# KiCad board Pixy-68000.kicad_pcb (continued)
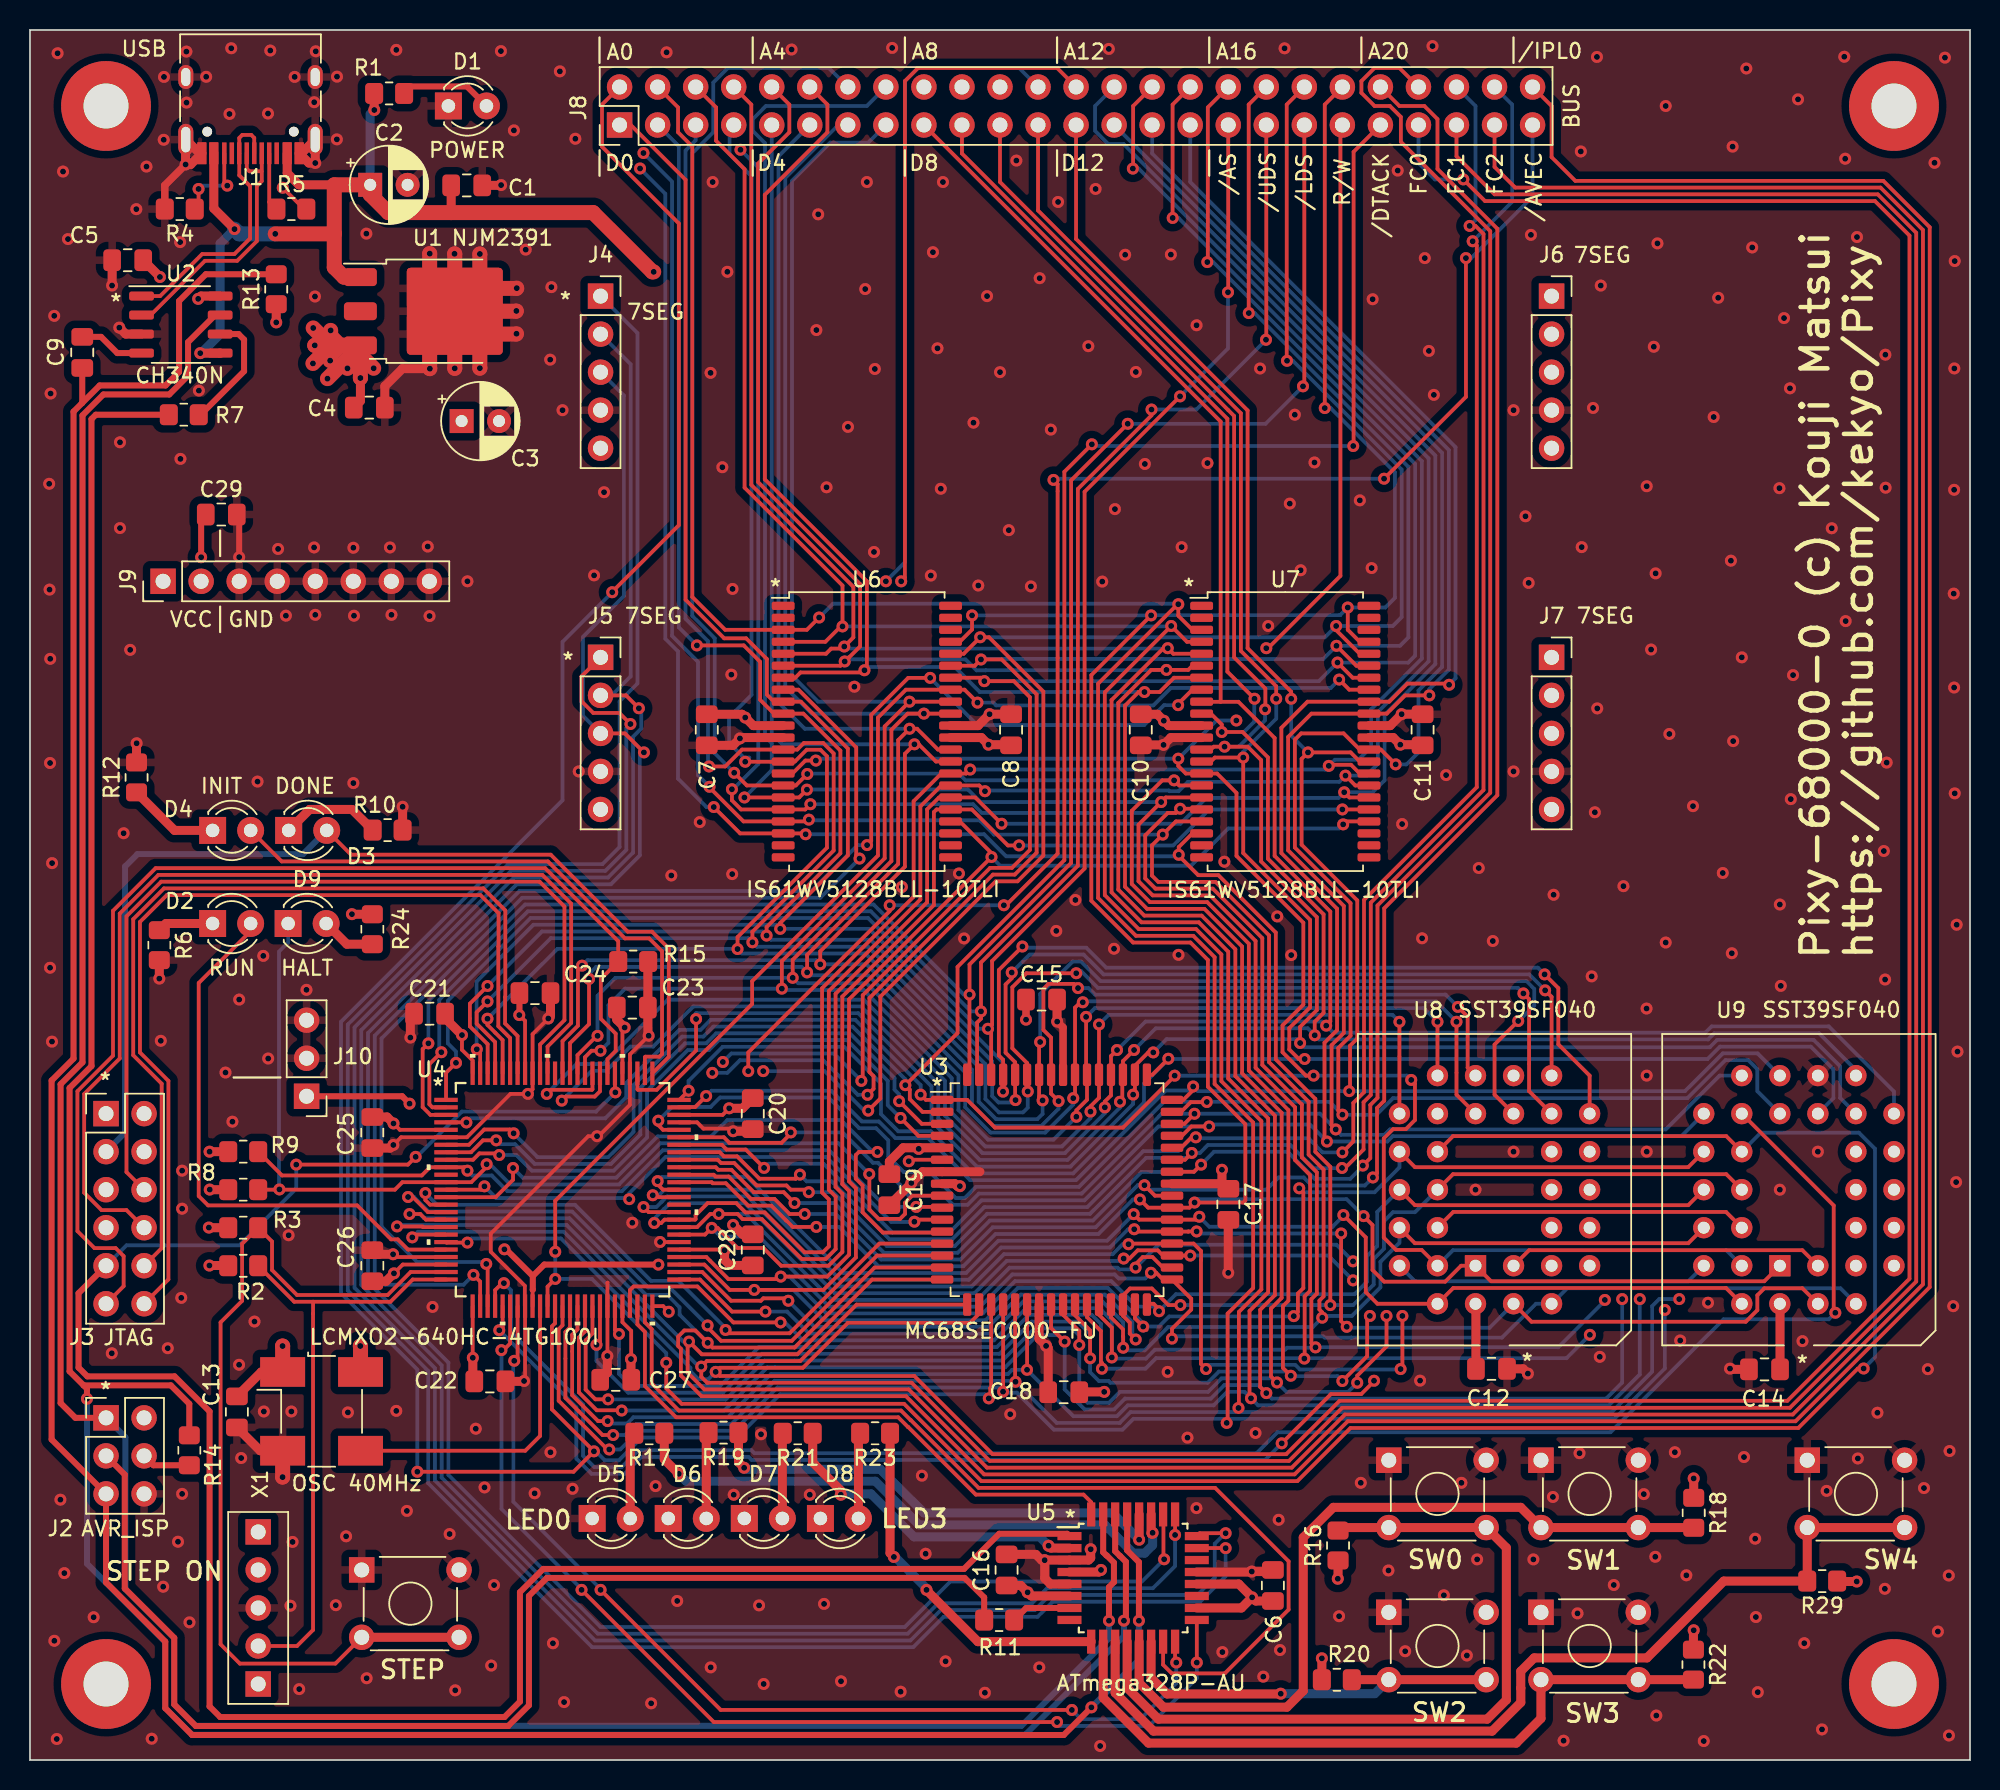
[diagram p0: board, top side]
## Routing (per net, layer and track width the routed paths; a pad name or vN(x,y) marks a point on that pad's centre or on a via; arc(x,y) is an arc through that point)
GND: length 274.2
  Top w0.25: v1(16.88,105.03) 18.31,103.6 R5.2 ; v1(24.27,41.09) 24.78,41.6 U4.6 29.18,41.6 30.54,42.96 30.55,42.96 32.08,44.5 v1(33.25,44.5) 33.56,44.81 U4.92 33.56,48.49 v1(34.61,49.54) ; 38.57,31.89 38.56,31.88 U4.44 38.56,27 v1(38.55,26.99) ; v1(32.99,25.32) 33.06,25.39 U4.33 33.04,30.34 33.04,31.68 30.77,33.95 30.77,35.17 37.27,41.67 v1(37.86,41.67) 37.97,41.67 40.06,43.77 U4.79 40.06,47.13 v1(41.31,48.38) ; U4.72 44.54,42.6 44.97,42.18 46.78,42.18 v1(46.96,42) ; U4.56 42.08,34.6 v1(42.07,34.61) ; U4.22 24.43,33.6 v1(24.24,33.79)
  Top w0.4: 34.76,49.68 v1(34.61,49.54) ; C29.2 13.97,83.04 v1(13.97,80.35) ; 13.98,78.75 J9.3
  Top w0.5: R4.2 9,105.19 v1(10.39,106.58) ; v1(68.59,49.33) 68.98,48.94 U3.56
  Top w0.6: U7.12 76.18,68.3 v1(75.69,67.81) 74.2,67.81 C10.2 ; v1(32.99,25.32) 32.97,25.3 C22.2 ; U6.12 47.42,68.3 ; C11.2 92.98,69.86 v1(91.59,69.86) 90.82,69.1 U7.34 ; C7.2 46.94,67.78 v1(47.41,68.24) ; R15.2 41.26,53.32 C23.2 41.26,48.44 v1(41.31,48.38) ; C5.2 5.49,98.5 v1(5.48,98.5) ; C6.2 82.88,12.59 v1(81.58,12.59) 81.55,12.56 U5.21 ; v1(5.97,95.68) 6.4,95.25 U2.3 ; C8.2 65.5,69.86 v1(64.07,69.86) 63.31,69.1 U6.34 ; C17.2 80.01,36.08 v1(80.01,32.54) ; v1(38.55,26.99) 38.55,25.88 C27.2 ; X1.2 15.37,20.66 C13.2 ; C28.2 47.58,35.12 v1(46.95,35.75) ; C19.2 58.85,38.53 v1(58.85,38.55) 59.6,39.3 U3.7 63.43,39.3 ; v1(67.75,13.35) 67.76,13.36 U5.3 70.69,13.36 70.83,13.5 v1(70.83,14.08) ; v1(67.75,13.35) 67.75,12.14 68.13,11.76 U5.5 ; v1(67.75,13.35) 67.55,13.35 67.16,13.74 65.21,13.74 C16.2 ; v1(31.46,105.21) 31.44,105.19 C1.2 ; v1(25.4,48.26) 25.4,49.61 C21.2 ; v1(46.96,42) 48.12,42 C20.2 ; C18.2 67.99,27.52 v1(67.85,27.67) 67.38,28.13 U3.23 ; v1(26.7,92.94) 24.87,92.94 23.7,91.77 C4.2 ; v1(7.12,67.92) 7.12,67.91 R12.2 ; C12.2 99.7,26.13 v1(100.02,25.82) ; v1(24.27,41.09) 24.06,40.88 C25.2 ; C15.2 68.58,49.34 v1(68.59,49.33) ; v1(24.88,63.68) R10.2 ; C14.2 113.56,26.1 v1(113.51,26.15) ; C26.2 23.13,33.79 v1(24.24,33.79) ; R6.2 v1(8.64,52.2) ; C24.2 34.76,49.68 ; J1.A12 11.32,107.33 J1.S1 10.39,108.23 v1(10.39,106.58) 10.73,106.58 J1.A12 ; J1.A1 18.63,106.68 v1(19.05,106.68) 19.05,108.24 J1.S1 18.13,107.33 J1.A1
  Top w1: v1(28.36,92.96) 28.36,92.97 U1.4 ; U1.4 28.36,100.6 v1(28.35,100.62) ; U1.4 32.46,96.78 v1(32.48,96.8) ; v1(32.51,98.32) 32.49,98.3 U1.4 30.04,100.6 v1(30.04,100.61) ; v1(32.49,95.28) 32.47,95.25 U1.4 30.04,92.98 v1(30.04,92.98) ; v1(26.7,92.94) 26.69,92.96 U1.4 ; U1.4 26.69,100.62 v1(26.69,100.63) ; X1.2 16.87,18.91 v1(16.87,18.9)
  In2.Cu w0.4: v1(119.38,40.64) 120.65,41.91 120.65,44.45 U9.16 ; D6.1 42.62,17.46 v1(41.77,18.3) ; U8.16 100.17,44.61 100.17,41.75 v1(99.06,40.64) ; D5.1 37.54,16.81 v1(36.23,18.12) ; D8.1 52.78,17.02 v1(52.07,17.72) ; v1(10.16,39.37) 6.35,39.37 J3.5 6.35,36.83 v1(10.16,36.83)
  In2.Cu w0.6: v1(18.46,51.45) 18.47,51.44 J10.3 J10.2 15.93,46.88 v1(15.91,46.86) ; v1(1.47,47.99) 2.54,46.92 2.54,38.1 J3.5
  In2.Cu w1: J6.4 v1(99.06,90.17) ; v1(13.97,80.35) J9.3 J9.4 J9.5 J9.6 J9.7 J9.8 v1(29.21,78.74) ; v1(10.16,17.78) J2.6 ; J7.4 v1(99.06,66.04) ; J5.4 v1(36.64,66.04) ; J4.4 v1(35.56,90.17)
  vias: v1(1.28,85.25) v1(1.31,78.19) v1(1.34,66.6) v1(1.34,52.92) v1(1.38,91.28) v1(1.35,73.56) v1(1.48,59.91) v1(1.62,96.47) v1(1.63,7.97) v1(1.84,114.01) v1(1.79,1.41) v1(2.03,17.39) v1(2.21,106.11) v1(2.29,12.49) v1(2.54,101.6) v1(4.25,9.54) v1(5.46,27.17) v1(6.01,88.03) v1(6.01,82.29) v1(6.25,61.91) v1(6.69,74.16) v1(7.1,103.6) v1(7.78,106.44) v1(8.13,1.43) v1(8.74,48.05) v1(8.95,112.43) v1(8.93,108.23) v1(8.9,11.58) v1(9.2,27.51) v1(9.88,14.58) v1(10.03,101.4) v1(10.05,86.92) v1(10.1,30.87) v1(10.45,114.12) v1(10.45,110.72) v1(10.65,9.2) v1(11.28,91.48) v1(11.77,112.44) v1(13.06,45.93) v1(13.32,109.96) v1(13.44,114.35) v1(13.52,42.64) v1(13.97,50.8) v1(13.96,26.4) v1(14.1,20.18) v1(14.99,29.29) v1(15.2,65.36) v1(15.58,53.72) v1(15.62,23.28) v1(15.89,109.99) v1(16.05,114.19) v1(16.57,80.9) v1(17.09,76.44) v1(17.27,35.06) v1(17.39,10.31) v1(17.45,23.28) v1(17.54,14.57) v1(17.67,112.43) v1(17.98,4.74) v1(18.98,110.74) v1(19.03,97.76) v1(18.97,81) v1(19.08,114.14) v1(19.05,76.5) v1(20.42,10.34) v1(20.5,112.45) v1(20.49,108.26) v1(21.11,14.95) v1(21.23,23.22) v1(21.59,80.98) v1(21.64,76.44) v1(21.59,65.26) v1(22.46,101.96) v1(22.48,5.47) v1(24.04,81) v1(24.14,76.5) v1(24.46,114.24) v1(24.46,23.32) v1(25.17,16.64) v1(26.56,81.06) v1(26.68,76.42) v1(26.88,30.27) v1(28.02,15.1) v1(28.4,4.66) v1(29.77,22.13) v1(30.35,18.21) v1(30.8,6.31) v1(30.99,11.69) v1(31.45,114.16) v1(32.31,108.86) v1(33.1,100.89) v1(33.7,17.82) v1(34.74,93.55) v1(34.82,98.39) v1(34.75,20.56) v1(34.92,7.8) v1(35.38,112.8) v1(35.66,3.87) v1(36.42,108.3) v1(37.67,79.13) v1(38.33,84.69) v1(40.22,35.89) v1(41.48,3.79) v1(42.51,114.08) v1(42.83,59.09) v1(43.22,10.63) v1(44.72,62.66) v1(45.44,92.66) v1(45.45,6.19) v1(45.58,105.41) v1(46.23,86.36) v1(46.56,99.41) v1(46.83,72.51) v1(46.91,78.23) v1(46.89,59.18) v1(46.99,17.72) v1(48.68,10.33) v1(48.81,21.76) v1(48.99,5.08) v1(50.85,114.26) v1(52.51,95.52) v1(52.63,103.25) v1(53.02,10.43) v1(53.19,85.02) v1(54.15,5.26) v1(54.62,89.06) v1(55.05,71.7) v1(55.77,98.26) v1(55.88,105.41) v1(56.41,92.92) v1(56.36,80.7) v1(57.57,114.37) v1(58.14,4.57) v1(58.22,58.33) v1(59.56,19) v1(59.81,13.78) v1(60.15,79.12) v1(60.29,100.72) v1(60.59,94.3) v1(60.82,84.92) v1(60.96,105.41) v1(61.14,6.6) v1(62.03,59.22) v1(62.37,54.88) v1(63,89.33) v1(63.32,78.46) v1(63.76,4.5) v1(63.91,97.79) v1(64.77,92.71) v1(65.36,82.16) v1(65.45,23.1) v1(65.86,106.84) v1(66.83,78.4) v1(67.42,98.99) v1(67.4,6.19) v1(68.16,88.87) v1(68.53,55.39) v1(68.65,104.08) v1(69.81,57.45) v1(70.67,94.45) v1(71.15,104.95) v1(71.46,0.94) v1(71.6,78.72) v1(72.04,114.3) v1(72.44,83.56) v1(72.38,54.19) v1(73.13,100.55) v1(73.84,92.72) v1(74.44,86.58) v1(75.96,25.93) v1(76.18,100.57) v1(76.69,53.79) v1(76.9,81.02) v1(77.29,21.54) v1(77.89,95.84) v1(77.88,16.83) v1(78.62,86.64) v1(79.62,7.21) v1(79.75,60.01) v1(81.83,21.85) v1(82.13,92.96) v1(82.35,5.57) v1(82.68,75.75) v1(83.28,56.35) v1(83.38,16.05) v1(83.47,7.35) v1(83.77,114.34) v1(84.12,83.93) v1(84.21,53.77) v1(84.46,89.87) v1(84.85,79.48) v1(85.77,86.68) v1(87.41,9.61) v1(88.8,84.15) v1(88.86,18.52) v1(89.58,79.63) v1(89.65,97.58) v1(90.71,12.66) v1(91.33,106.18) v1(91.62,62.52) v1(91.82,7.27) v1(92.82,25.35) v1(92.95,54.89) v1(93.13,100.33) v1(93.41,94.13) v1(93.65,114.49) v1(93.74,91.19) v1(94.41,11.01) v1(94.56,65.79) v1(95.58,18.52) v1(95.94,6.99) v1(96.52,38.1) v1(96.63,13.4) v1(96.74,59.59) v1(97.68,54.71) v1(99.86,83.08) v1(100.07,78.63) v1(100.22,101.88) v1(100.38,13.4) v1(101.73,57.8) v1(101.69,17.58) v1(102.4,1.29) v1(103.33,9.8) v1(103.46,20.5) v1(103.55,107.45) v1(103.61,81.02) v1(104.28,52.35) v1(104.37,90.32) v1(104.49,63.31) v1(104.63,113.77) v1(104.65,70.25) v1(104.82,26.94) v1(104.88,98.5) v1(105.75,11.7) v1(106.4,58.38) v1(107.76,17.76) v1(107.95,85.09) v1(107.94,50.2) v1(107.95,45.72) v1(107.95,40.64) v1(108.24,74.18) v1(108.43,94.41) v1(108.55,79.27) v1(108.53,13.58) v1(108.59,2.97) v1(108.67,101.31) v1(109.22,110.49) v1(109.22,54.61) v1(109.46,68.54) v1(109.83,20.56) v1(110.19,28.03) v1(110.6,12.34) v1(111.04,63.72) v1(111.76,1.27) v1(112.04,30.55) v1(112.42,89.71) v1(112.72,97.68) v1(113.03,59.25) v1(113.57,80.12) v1(113.63,53.89) v1(113.69,107.77) v1(113.72,68.07) v1(114.3,73.66) v1(114.45,20.24) v1(114.6,112.99) v1(115,101.04) v1(115.19,14.79) v1(115.24,9.56) v1(115.37,4.54) v1(116.81,84.96) v1(116.84,57.15) v1(116.84,38.1) v1(116.9,51.71) v1(117.12,96.32) v1(117.52,91.63) v1(117.57,64.19) v1(117.72,72.47) v1(118.05,110.93) v1(118.35,27.98) v1(118.47,7.81) v1(119.65,2.05) v1(119.96,17.98) v1(120.31,82.28) v1(121.14,113.78) v1(121.2,106.97) v1(121.24,76.08) v1(121.99,101.74) v1(122.05,20.15) v1(123.36,23.2) v1(123.78,60.72) v1(123.89,93.88) v1(123.9,84.99) v1(123.87,52.14) v1(123.85,11.44) v1(123.97,66.63) v1(126.46,18.17) v1(126.72,26.11) v1(127.17,106.7) v1(127.39,8.59) v1(127.86,113.72) v1(128.12,12.33) v1(128.13,1.64) v1(128.17,20.64) v1(128.45,77.92) v1(128.42,30.32) v1(128.52,100.13) v1(128.49,92.96) v1(128.48,84.85) v1(128.48,71.64) v1(128.52,64.57) v1(128.65,55.8) v1(128.61,38.61) v1(128.7,47.33)
VCC: length 160.1
  Top w0.25: U4.100 29.56,46.73 28.85,47.44 v1(28.85,48.43) ; U4.93 33.06,49.38 v1(32.67,49.76) ; v1(29.57,26.87) 29.56,26.88 U4.26 ; U4.73 46.25,43.1 v1(46.69,43.54) ; U4.55 46.33,34.1 v1(46.38,34.05) ; U4.46 39.56,29.25 40.14,28.67 40.14,26.8 v1(40.13,26.78) ; U4.80 39.56,48.79 v1(39.71,48.93) ; v1(24.28,42.52) 24.7,42.1 U4.5 ; U4.23 24.89,33.1 v1(24.3,32.51) ; v1(42.65,29.95) 42.28,30.32 U4.50
  Top w0.4: C24.1 32.68,49.78 v1(32.67,49.76) ; v1(11.43,80.35) 11.43,82.89 C29.1
  Top w0.5: v1(66.51,49.46) 66.5,49.46 C15.1
  Top w0.6: v1(28.85,48.43) 27.72,49.56 C21.1 ; v1(29.57,26.87) 29.57,25.39 C22.1 ; C10.1 75.28,69.86 v1(75.71,69.43) 76.03,69.1 U7.11 ; v1(87.32,12.11) 87.34,12.13 R16.1 ; v1(12.01,38.11) 12.01,38.1 R8.1 ; C12.1 96.55,30.45 U8.32 96.52,30.48 ; C23.1 39.18,49.46 v1(39.71,48.93) ; C27.1 40.13,25.42 v1(40.13,26.78) ; v1(71.51,12.7) 71.37,12.56 U5.4 ; v1(24.3,32.51) 23.78,31.98 C26.1 ; C18.1 70.09,24.59 v1(71.73,24.59) 71.71,24.61 ; U3.5 59.42,40.9 v1(59.34,40.83) 59.27,40.9 58.3,40.9 57.38,39.98 C19.1 ; v1(79.59,39.43) 79.59,38.59 C17.1 79.68,38.5 U3.41 ; U6.33 63.52,68.3 v1(64,67.83) 65.47,67.83 C8.1 ; v1(62.09,38.34) 61.92,38.34 61.76,38.5 U3.8 ; C4.1 22.07,90.79 v1(22.07,92.32) ; U5.20 80.71,11.76 v1(81.6,10.87) ; v1(21.5,56.5) 21.5,56.5 R24.1 ; v1(11.95,35.57) 11.96,35.56 R3.1 ; v1(8.68,99.07) 8.68,99.07 C5.1 ; U9.32 116.85,30.47 C14.1 ; v1(11.23,97.61) 11.42,97.79 U2.8 ; v1(111.09,8.67) 111.07,8.65 R22.1 ; C11.1 92.94,67.83 v1(91.5,67.83) 91.03,68.3 U7.33 ; R20.1 v1(86.26,6.8) ; v1(11.98,33.03) 13.23,33.03 R2.1 ; U6.11 48.3,69.1 v1(47.76,69.64) 47.54,69.86 C7.1 ; C16.1 66.16,11.66 v1(66.61,11.2) 66.86,10.96 U5.6 ; R29.1 120.7,11.93 v1(121.98,11.93) ; v1(24.28,42.52) 23.84,42.95 C25.1 ; v1(81.6,10.87) 80.89,10.16 U5.18 ; v1(81.6,10.87) 81.85,10.62 C6.1 ; v1(111.09,18.81) 111.09,18.81 R18.1 ; C28.1 46.75,33.04 46.38,33.41 v1(46.38,34.05) ; v1(11.99,40.64) R9.1 ; C20.1 47.58,43.54 v1(46.69,43.54) ; X1.1 15.45,25.92 C13.1 ; R13.1 v1(16.44,96.03)
  Top w1: v1(21.2,92.96) 22.06,93.83 U1.3 ; 20.71,94.49 20.04,93.83 v1(20.04,93.48) ; 20.71,94.49 20.08,95.12 v1(20.08,95.5) ; 20.71,94.49 22.05,94.49 U1.3 ; X1.1 16.87,27.65 v1(16.87,27.66) ; U1.3 22.06,93.86 v1(22.95,92.97) ; U1.3 22.07,94.5 ; U1.3 22.06,94.48 v1(19.86,92.28) ; U1.3 20.1,94.5 v1(18.89,93.29) ; U1.3 22.06,92.32 v1(22.07,92.32) ; U1.3 20.07,94.5 v1(18.91,95.66) ; U1.3 19.02,94.5 v1(19.02,94.5) ; X1.4 22.07,27.64 v1(22.06,27.66)
  In1.Cu w1: J9.2 v1(11.43,80.35)
VDD: length 110.8
  Top w0.4: 22.65,105.29 C2.1
  Top w0.6: v1(13.66,102.26) 12.28,103.65 J1.A9 ; R1.1 22.98,110.23 v1(22.99,110.22) ; 20.32,105.22 17.96,105.22 17.18,106.01 J1.A4 ; v1(11.37,93.98) 12.69,93.98 U2.5 ; 28.13,105.18 C1.1 28.12,105.19 28.12,103.37 ; 22.06,99.06 U1.1
  Top w1: v1(16.38,101.95) 20.32,101.95 ; 20.32,101.95 20.32,105.22 C2.1 22.72,104.58 23.93,103.37 37.6,103.37 41.56,99.41 v1(41.65,99.41) ; 20.32,101.95 20.32,99.71 20.97,99.06 U1.1
  In1.Cu w1: J4.5 42.09,87.63 ; 42.09,87.63 42.09,98.96 v1(41.65,99.41) ; 42.09,87.63 42.09,64.95 40.64,63.5 J5.5
  Bottom w0.6: v1(13.66,102.26) 12.7,101.31 12.7,95.25 11.43,93.98 v1(11.37,93.98) ; C2.1 22.72,109.95 v1(22.99,110.22)
  Bottom w1: v1(16.38,101.95) 13.97,101.95 v1(13.66,102.26)
//AS: length 118.7
  Top w0.25: J8.33 80.01,98.07 v1(79.99,98.05) ; v1(76.79,91.09) 70.42,84.72 70.42,59.56 64.24,53.38 64.24,49.12 v1(63.97,48.85) 64.18,48.64 U3.62 ; U4.1 27.78,45.91 v1(28.45,46.58)
  Bottom w0.25: v1(76.79,91.09) 79.99,94.29 v1(79.99,98.05) ; v1(28.45,46.58) 28.45,47.33 27.9,47.88 27.9,50.72 33.43,56.25 55.96,56.25 63.36,48.85 v1(63.97,48.85)
//AVEC: length 156.5
  Top w0.25: v1(30.35,38.32) 30.12,38.1 U4.13 ; v1(90.41,85.59) 95.88,91.06 v1(95.88,100.33) ; v1(59.05,35.96) 59.19,36.1 U3.11 ; v1(47.96,46.02) 47.96,47.27 57.41,56.71 v1(57.41,57.1) ; v1(68.34,85.51) 68.62,85.24 68.62,60.55 65.17,57.1 v1(65.03,57.1)
  In1.Cu w0.25: v1(47.96,46.02) 46.6,47.38 43.02,47.38 39.7,44.07 39.7,37.74 39.98,37.47 v1(40.01,37.47)
  Bottom w0.25: J8.49 100.33,104.43 96.23,100.33 v1(95.88,100.33) ; v1(57.41,57.1) 65.03,57.1 v1(65.03,57.1) ; v1(90.41,85.59) 68.42,85.59 v1(68.34,85.51) ; v1(59.05,35.96) 59.04,35.95 57.51,35.95 53.18,40.28 42.44,40.28 40.01,37.86 v1(40.01,37.47) 39.94,37.54 31.13,37.54 v1(30.35,38.32)
//BERR: length 44.3
  Top w0.25: U4.14 31.1,37.6 32.26,38.76 v1(32.26,39.55) ; v1(56.59,40.62) 55.35,40.62 55.14,40.41 55.14,38.84 55.6,38.38 55.6,36.59 56.95,35.24 60.84,35.24 U3.12
  Bottom w0.25: v1(56.59,40.62) 56.27,40.62 54.14,42.76 46.57,42.76 45.47,41.66 41.91,41.66 39.15,38.9 32.9,38.9 v1(32.26,39.55)
//BG: length 42.8
  Top w0.25: U3.3 59.55,42.5 v1(58.04,44.01) ; v1(31.13,41.4) 30.24,41.4 29.45,40.6 U4.8
  Bottom w0.25: v1(58.04,44.01) 58.04,44.47 57.73,44.78 57.73,45.56 54.74,48.54 45.82,48.54 45.15,47.88 43.74,47.88 40.76,44.9 40.76,41.78 38.79,39.82 33.7,39.82 32.38,41.14 31.39,41.14 v1(31.13,41.4)
//BR: length 42.8
  Top w0.25: U3.4 59.32,41.7 v1(58.13,42.89) ; U4.9 29.59,40.1 30.01,40.53 31.22,40.53 v1(31.33,40.42)
  Bottom w0.25: v1(31.33,40.42) 32.47,40.42 33.52,39.37 38.98,39.37 41.21,41.6 41.21,44.71 43.92,47.43 45.34,47.43 46,48.09 54.55,48.09 57.28,45.37 57.28,43.75 v1(58.13,42.89)
//DTACK: length 130.4
  Top w0.25: U4.7 29.31,41.1 30.33,42.12 32.04,42.12 v1(32.3,41.87) ; U3.2 59.6,43.3 58.75,44.15 58.75,44.79 v1(58.45,45.08) 61.93,48.57 61.93,52.98 69.07,60.11 69.07,86.06 v1(70.9,87.89) ; v1(88.35,87.78) 88.38,87.8 88.38,107.43 J8.41
  Bottom w0.25: v1(70.9,87.89) 71.02,87.78 v1(88.35,87.78) ; v1(32.3,41.87) 32.3,41.86 33.89,40.27 38.61,40.27 40.31,41.97 40.31,45.08 43.55,48.33 44.96,48.33 45.63,48.99 54.93,48.99 58.45,45.47 v1(58.45,45.08)
//HALT: length 70.8
  Top w0.25: v1(30.49,39.8) 30.49,39.63 29.47,38.6 U4.12 24.87,38.6 24.37,38.1 16.68,38.1 v1(16.66,38.12) 16.34,38.12 16.32,38.1 R8.2 ; v1(56.04,39.15) 56.05,39.14 56.05,36.77 56.67,36.15 58.1,36.15 58.43,36.49 58.43,37.23 58.9,37.7 U3.9
  Bottom w0.25: v1(30.49,39.8) 30.72,39.8 32.07,38.45 39.33,38.45 42.08,41.2 53.98,41.2 v1(56.04,39.15) ; v1(16.66,38.12) 16.63,38.14 16.63,54 17.24,54.61 D9.1
//IPL0: length 244
  Top w0.25: J8.50 101.6,110.49 101.6,107.07 103.18,105.49 123.75,105.49 126.85,102.39 126.85,31.59 117.89,22.63 87.99,22.63 84.44,19.08 63.71,19.08 58.49,24.31 44.85,24.31 43.46,25.69 43.46,27.47 43.28,27.66 43.28,28.29 43.69,28.7 44.43,28.7 v1(45.25,27.87) 45.57,27.55 51.05,27.55 56.4,32.9 U3.15 ; v1(25.34,36.47) 26.06,36.47 26.44,36.1 U4.17
  Bottom w0.25: v1(45.25,27.87) 43.38,29.75 43.38,30.25 42.54,31.08 41.13,31.08 36.02,36.19 26.32,36.19 26.03,36.47 v1(25.34,36.47)
//IPL1: length 45
  Top w0.25: v1(45.24,29.03) 45.24,28.91 46.15,28 50.86,28 56.56,33.7 U3.14 ; U4.16 26.57,36.6 25.56,37.61 v1(25.25,37.61)
  Bottom w0.25: v1(25.25,37.61) 25.64,37.61 26.61,36.64 36.21,36.64 41.28,31.56 42.72,31.56 v1(45.24,29.03)
//IPL2: length 42.9
  Top w0.25: v1(26.4,37.88) 26.4,37.41 26.71,37.1 U4.15 ; U3.13 56.71,34.5 50.72,28.51 46.67,28.51 v1(46.45,28.73)
  Bottom w0.25: v1(26.4,37.88) 27.19,37.09 36.39,37.09 41.47,32.01 43.29,32.01 46.45,28.86 v1(46.45,28.73)
//LDS: length 128.5
  Top w0.25: v1(73.3,89.26) 69.52,85.48 69.52,59.93 62.74,53.15 v1(62.74,51.13) 62.73,51.13 62.73,45.93 U3.64 ; v1(26.6,47.88) 26.22,47.49 26.22,43.62 26.74,43.1 U4.3 ; J8.37 85.09,91.85 v1(85,91.77)
  Bottom w0.25: v1(85,91.77) 82.5,89.26 v1(73.3,89.26) ; v1(26.6,47.88) 26.6,50.7 33.06,57.15 56.33,57.15 62.35,51.13 v1(62.74,51.13)
//OE: length 226.9
  Top w0.25: U9.24 113.26,41.68 95.02,41.68 U8.24 ; v1(87.41,72.18) 88.09,71.5 U7.37 ; v1(35.07,32.14) 34.56,31.62 U4.36 ; v1(63.27,70.64) 62.4,71.5 U6.37 58.49,71.5 56.62,69.63 56.62,60.42 52.82,56.62 52.81,56.62 48.22,52.03 48.22,50.51 35.07,37.36 v1(35.07,33.95) ; v1(42.49,26.54) 42.49,24.83 43.52,23.8 58.36,23.8 63.53,18.63 84.62,18.63 88.17,22.18 118.07,22.18 122.05,26.16 v1(122.43,26.16)
  Bottom w0.25: v1(63.27,70.64) 64.32,70.64 64.51,70.45 75.01,70.45 76.18,71.62 86.86,71.62 v1(87.41,72.18) ; v1(42.49,26.54) 42.49,27.18 37.52,32.14 v1(35.07,32.14) v1(35.07,33.95) ; v1(122.43,26.16) 123.19,26.91 123.19,40.84 122.12,41.91 115.57,41.91 U9.24
//PROMCS0: length 119.8
  Top w0.25: v1(120.54,29.88) 120.44,29.99 120.44,37.04 U9.22 ; v1(31.65,31.86) 31.52,31.86 31.06,31.39 U4.29
  Bottom w0.25: v1(120.54,29.88) 120.11,29.44 113.08,29.44 105.54,21.9 83.3,21.9 81.9,20.5 48.37,20.5 48.17,20.7 40.64,20.7 39.51,19.57 37.68,19.57 36.93,20.32 36.93,23.76 32.11,28.58 32.11,31.39 v1(31.65,31.86)
//PROMCS1: length 92.3
  Top w0.25: v1(83.58,21.16) 86.87,24.45 88.89,24.45 89.74,25.3 v1(89.74,25.34) ; U4.30 31.56,28.94 v1(31.34,28.71)
  In1.Cu w0.25: U8.22 92.48,41.68 92.48,35.14 91.85,34.51 88.42,34.51 87.55,33.63 87.55,30.34 89.67,28.22 89.67,25.41 v1(89.74,25.34)
  Bottom w0.25: v1(31.34,28.71) 36.48,23.56 36.48,20.13 37.5,19.12 39.7,19.12 40.82,20.25 47.99,20.25 48.19,20.05 82.47,20.05 v1(83.58,21.16)
//RESET: length 49.9
  Top w0.25: v1(29.21,39.37) 28.98,39.6 U4.10 26.71,39.6 26.16,39.05 16.83,39.05 R9.2 ; U3.10 60.85,36.95 v1(59.18,36.95)
  Bottom w0.25: v1(59.18,36.95) 57.14,36.95 53.36,40.73 42.25,40.73 39.52,38 31.88,38 30.83,39.05 29.53,39.05 v1(29.21,39.37)
//RESETAVR: length 190.7
  Top w0.4: R13.2 11.74,99.25 9.96,97.46 9.96,92.72 9.05,91.82 4.65,91.82 3.47,90.63 ; v1(74.05,9.31) 74.05,13.22 73.26,14.01 U5.29 ; v1(70.87,3.52) 69.03,1.67 10.83,1.67 9.04,3.47 9.04,7.91 5.08,11.87 J2.5 1.45,21.41 1.45,45.39 2.91,46.85 2.91,90.07 3.47,90.63 ; 3.47,90.63 3.49,90.66 C9.2
  Bottom w0.4: v1(70.87,3.52) 70.87,3.52 74.05,6.7 v1(74.05,9.31)
//SRAMCS0: length 97.8
  Top w0.25: v1(76.67,70.47) 76.67,70.55 77.62,71.5 U7.8 ; U4.27 30.06,31.96 v1(29.61,32.41) ; v1(60.11,72.29) 58.64,72.29 56.17,69.82 56.17,61.39 v1(55.9,61.12)
  Bottom w0.25: v1(60.11,72.29) 63.26,69.14 74.4,69.14 75.72,70.47 v1(76.67,70.47) ; v1(55.9,61.12) 55.27,61.12 52.2,58.05 32.69,58.05 23.02,48.39 23.02,32.44 23.71,31.75 28.95,31.75 v1(29.61,32.41)
//SRAMCS1: length 74.3
  Top w0.25: U4.28 30.56,33.05 v1(30.47,33.14) ; U6.8 51.31,71.5 55.17,67.64 55.17,60.44 v1(55.39,60.22)
  Bottom w0.25: v1(30.47,33.14) 30.34,33.27 25.85,33.27 23.47,35.64 23.47,48.2 32.87,57.6 52.77,57.6 v1(55.39,60.22)
//STEP: length 62.2
  Top w0.25: SW_STEP1.2 20.4,6.44 14.01,6.44 12.73,7.73 12.73,29.24 14.16,30.67 14.16,34.48 R3.2 16.16,34.64 16.16,32.73 17.83,31.07 23.88,31.07 25.42,32.6 U4.24
  Top w0.6: SW_STEP1.2 SW_STEP1.2
//STEPEN: length 40.2
  Top w0.25: 18.9,30.62 24.07,30.62 25.55,32.1 U4.25 ; 18.9,30.62 17.64,30.62 R2.2 ; 18.9,30.62 18.9,29.82 18.9,29.81 18.9,8.69 17.83,7.62 SW_STEPEN1.1
//SW0: length 51.9
  Top w0.6: U5.12 73.26,4.82 75.35,2.73 97.3,2.73 98.58,4.02 98.58,14.18 SW0.2 SW0.2 ; R16.2 87.54,15.53 SW0.2 ; SW0.2 90.71,15.55
//SW1: length 52.6
  Top w0.6: U5.13 74.06,5.15 75.68,3.53 83.93,3.53 85.02,4.62 85.02,14.87 87.03,16.88 91.12,16.88 91.12,16.88 99.54,16.88 SW1.2 SW1.2 111.08,15.53 R18.2
//SW2: length 28.1
  Top w0.6: R20.2 88.27,5.37 SW2.2 SW2.2 ; v1(83.52,4.43) 83.5,4.42 75.93,4.42 74.86,5.49 U5.14
  Bottom w0.6: SW2.2 89.79,4.43 v1(83.52,4.43)
//SW3: length 47.7
  Top w0.6: U5.10 71.66,4.16 74.69,1.13 99.24,1.13 100.89,2.78 SW3.2 SW3.2 111.06,5.37 R22.2
//SW4: length 66.1
  Top w0.6: U5.11 72.46,4.49 75.02,1.93 97.63,1.93 99.54,3.85 99.54,4.81 99.54,4.81 99.54,5.93 100.44,6.82 107.97,6.82 113.1,11.96 R29.2 118.67,11.96 SW4.2 SW4.2
//UDS: length 123.2
  Top w0.25: U4.2 26.87,43.6 26.67,43.8 26.67,46.49 v1(27.47,47.28) ; v1(74.89,90.21) 74.89,89.83 69.97,84.91 69.97,59.74 63.5,53.27 v1(63.5,50.01) 63.5,49.52 63.24,49.26 63.24,45.91 U3.63 ; v1(82.53,94.87) 82.55,94.9 J8.35
  Bottom w0.25: v1(82.53,94.87) 82.53,94.86 77.88,90.21 v1(74.89,90.21) ; v1(27.47,47.28) 27.33,47.42 27.33,50.78 33.24,56.7 56.14,56.7 62.83,50.01 v1(63.5,50.01)
/A0: length 164.8
  Top w0.25: U3.19 64.18,24.91 64.12,24.85 64.12,24.26 v1(64.02,24.16) ; v1(25.87,19.26) 36.29,19.26 v1(37.66,20.62) 34.85,23.42 34.85,23.81 34.85,23.81 34.85,28.97 35.06,29.18 U4.37 ; J8.2 38.2,110.58 38.2,107.77 43.32,102.64 43.32,82.48 38.88,78.04 v1(38.88,78.01)
  Bottom w0.25: v1(37.66,20.62) 37.78,20.62 38.38,20.02 39.32,20.02 40.85,21.55 47.21,21.55 50.09,24.44 63.75,24.44 v1(64.02,24.16) ; v1(38.88,78.01) 35.56,74.69 35.56,64.11 20.77,49.32 20.77,31.17 25.87,26.08 v1(25.87,19.26)
/A1: length 268.7
  Top w0.25: U7.3 77.62,75.5 76.68,76.44 v1(76.68,77.21) 76.63,77.21 71.32,71.9 71.32,57.59 73.85,55.06 77.67,55.06 79.1,53.63 79.1,45.16 81.67,42.59 81.67,31.53 79.97,29.83 79.97,22.58 v1(79.91,22.52) ; U3.20 64.98,25.11 64.97,25.11 v1(64.97,24.61) ; J8.4 43.27,110.39 43.27,108.73 44.22,107.78 44.22,77.7 46.42,75.5 U6.3 51.87,75.5 v1(52.69,76.32) ; v1(38.68,20.75) 38.56,20.75 35.3,24 35.3,28.78 35.56,29.04 U4.38
  In1.Cu w0.25: U8.12 102.64,41.68 120.88,41.68 U9.12
  In2.Cu w0.25: v1(109.16,30.07) 109.16,30.14 107.95,31.35 107.95,36.83 105.19,39.59 102.65,39.59 U8.12
  Bottom w0.25: v1(109.16,30.07) 109.16,26.16 105.8,22.79 80.01,22.79 79.91,22.69 v1(79.91,22.52) 79.63,22.79 73.67,22.79 72.95,22.07 68.37,22.07 65.9,24.54 65.04,24.54 v1(64.97,24.61) 64.7,24.89 49.91,24.89 47.02,22 40.66,22 39.41,20.75 v1(38.68,20.75) ; v1(52.69,76.32) 53.62,77.24 76.64,77.24 v1(76.68,77.21)
/A2: length 259.8
  Top w0.25: v1(38.94,21.71) 38.23,21.71 35.75,24.19 35.75,28.6 36.06,28.9 U4.39 ; J8.6 45.82,110.39 45.82,108.17 47.71,106.27 47.71,85 54.26,78.46 v1(54.26,75.73) 54.14,75.73 53.11,74.7 U6.4 ; v1(80.69,23.52) 80.72,23.55 80.72,29.94 82.22,31.44 82.22,42.68 79.55,45.35 79.55,53.82 77.86,55.51 74.03,55.51 71.77,57.78 71.77,71.32 v1(76.2,75.75) 77.25,74.7 U7.4 ; U3.21 65.78,25.3 v1(65.81,25.27)
  In1.Cu w0.25: U8.11 105.18,39.6 123.42,39.6 U9.11
  In2.Cu w0.25: U8.11 104.78,40.64 108.4,37.02 108.4,32.51 v1(110.12,30.79)
  Bottom w0.25: v1(110.12,30.79) 108.79,30.79 108.31,30.32 108.31,25.95 105.61,23.24 80.97,23.24 v1(80.69,23.52) 80.42,23.24 73.49,23.24 72.76,22.52 68.56,22.52 v1(65.81,25.27) 65.74,25.34 49.72,25.34 46.83,22.45 40.48,22.45 39.74,21.71 v1(38.94,21.71) ; v1(76.2,75.75) 76.17,75.73 v1(54.26,75.73)
/A3: length 254.6
  Top w0.25: J8.8 48.16,110.58 48.16,85.18 54.98,78.37 54.98,74.99 v1(54.37,74.38) 54.23,74.24 53.5,74.24 53.15,73.9 U6.5 ; v1(81.53,24.17) 81.43,24.26 81.43,30 82.68,31.24 82.68,42.86 80.01,45.53 80.01,54 78.05,55.96 74.22,55.96 72.22,57.96 72.22,70.81 75.68,74.27 v1(75.97,74.27) 76.34,73.9 U7.5 ; U4.40 36.56,28.77 36.2,28.41 36.2,24.37 37.93,22.64 v1(38.57,22.64) ; v1(66.57,26.07) 66.58,26.07 U3.22
  In1.Cu w0.25: U8.10 102.64,37.06 120.88,37.06 U9.10
  In2.Cu w0.25: v1(107.49,30.79) 107.49,36.22 104.57,39.14 102.64,39.14 U8.10
  Bottom w0.25: v1(38.57,22.64) 38.73,22.49 39.88,22.49 40.29,22.9 46.59,22.9 49.48,25.79 65.3,25.79 65.58,26.07 v1(66.57,26.07) 69.67,22.97 72.58,22.97 73.3,23.69 79.03,23.69 79.94,24.6 81.1,24.6 v1(81.53,24.17) 82,23.69 105.42,23.69 107.49,25.76 v1(107.49,30.79) ; v1(75.97,74.27) 75.94,74.24 54.51,74.24 v1(54.37,74.38)
/A4: length 250.5
  Top w0.25: v1(69.09,27.95) 68.18,28.86 U3.24 ; U6.6 54.12,73.1 v1(54.4,73.38) 54.68,73.66 54.7,73.66 55.43,74.39 55.43,78.55 48.62,85.37 48.62,106.64 50.71,108.73 50.71,110.58 J8.10 ; v1(82.55,24.51) 82.14,24.92 82.14,30.07 83.13,31.06 83.13,43.05 80.48,45.69 80.48,54.16 78.23,56.41 74.41,56.41 72.67,58.15 72.67,70.62 74.87,72.82 v1(75.88,72.82) 77.34,72.82 77.62,73.1 U7.6 ; U4.41 37.06,28.63 36.65,28.22 36.65,24.56 37.85,23.37 39.49,23.37 v1(39.51,23.35)
  In1.Cu w0.25: U8.9 105.19,39.15 123.41,39.15 U9.9
  In2.Cu w0.25: U8.9 106.49,35.75 106.49,30.97 v1(106.31,30.79)
  Bottom w0.25: v1(54.4,73.38) 54.55,73.53 55.59,73.53 55.59,73.52 62.47,73.52 63.2,72.79 63.8,72.79 63.81,72.8 75.87,72.8 v1(75.88,72.82) ; v1(106.31,30.79) 106.31,25.22 105.24,24.14 82.92,24.14 v1(82.55,24.51) 82.02,25.05 79.75,25.05 78.85,24.14 73.12,24.14 72.39,23.42 70.43,23.42 69.09,24.76 v1(69.09,27.95) 68.65,28.39 67.27,28.39 65.11,26.24 49.77,26.24 49.76,26.24 49.24,26.24 46.35,23.35 v1(39.51,23.35)
/A5: length 236.3
  Top w0.25: U6.7 51.1,72.3 51.45,72.65 55.57,72.65 v1(55.72,72.8) 55.88,72.96 55.88,78.74 49.07,85.56 49.07,104.55 53.24,108.73 53.24,110.58 J8.12 ; v1(88.62,25.2) 88.62,25.68 90.58,27.63 90.58,29.66 v1(90.58,29.67) ; U4.42 37.56,28.5 37.1,28.04 37.1,24.75 37.75,24.1 v1(38.6,24.1) ; v1(70.06,27.73) 70.06,28.66 68.98,29.74 U3.25 ; U7.7 76.39,72.3 75.43,71.34 v1(74.42,71.34) 74.03,71.34 73.12,70.43 73.12,58.33 74.59,56.86 78.42,56.86 80.93,54.34 80.93,45.87 83.58,43.23 83.58,30.87 82.87,30.16 82.87,25.62 v1(83.27,25.22)
  In1.Cu w0.25: U9.8 120.88,34.52 102.64,34.52 U8.8 96.75,35.56 95.48,34.29 95.48,33.02 94.44,31.98 92.92,31.98 90.61,29.67 v1(90.58,29.67)
  Bottom w0.25: v1(88.62,25.2) 88.01,24.59 83.89,24.59 v1(83.27,25.22) 82.99,25.5 79.56,25.5 78.66,24.59 72.78,24.59 72.05,23.87 70.62,23.87 70.06,24.42 v1(70.06,27.73) 70.06,28.36 69.58,28.84 67.08,28.84 64.93,26.69 51.06,26.69 51.05,26.69 49.06,26.69 46.46,24.09 38.61,24.09 v1(38.6,24.1) ; v1(74.42,71.34) 74.41,71.34 63.42,71.34 61.75,73.01 55.94,73.01 v1(55.72,72.8)
/A6: length 247
  Top w0.25: v1(89.47,29.67) 89.29,29.49 89.29,26.98 v1(87.63,25.32) ; v1(47.02,65.95) 47.87,65.1 U6.16 51.13,65.1 v1(51.9,65.87) ; U3.26 69.78,29.71 70.79,28.7 v1(70.79,26.84) ; v1(37.83,27.74) 38.06,27.97 U4.43 ; U7.16 76.74,65.1 v1(76.39,65.44) 75.6,65.44 73.57,63.41 73.57,58.52 74.78,57.31 78.6,57.31 81.38,54.53 81.38,46.06 84.03,43.42 84.03,30.69 83.66,30.32 83.66,26.2 v1(84.19,25.67)
  In1.Cu w0.25: U9.7 123.41,36.61 105.19,36.61 U8.7 103.09,36.61 96.87,36.61 94.55,34.29 93.78,34.29 92.48,32.98 92.48,32.59 89.55,29.67 v1(89.47,29.67)
  Bottom w0.25: J8.14 53.34,113.03 46.6,113.03 45.63,112.06 45.63,108.73 44.22,107.33 44.22,76.43 45.72,74.93 45.72,67.25 v1(47.02,65.95) ; v1(37.83,27.74) 37.83,26.66 39.95,24.54 46.27,24.54 48.87,27.14 51.23,27.14 51.24,27.14 64.74,27.14 66.89,29.29 69.96,29.29 70.79,28.46 v1(70.79,26.84) 70.79,25.91 71.37,25.32 72.03,25.32 72.14,25.2 78.63,25.2 79.38,25.95 83.91,25.95 v1(84.19,25.67) 84.22,25.64 87.31,25.64 v1(87.63,25.32) ; v1(76.39,65.44) 62.47,65.44 62.02,65.9 51.93,65.9 v1(51.9,65.87)
/A7: length 237.9
  Top w0.25: v1(71.58,26.14) 71.58,26.53 71.51,26.59 71.51,28.65 70.58,29.58 U3.27 ; v1(39.33,28.46) 39.06,28.73 U4.45 ; U7.17 75.84,64.3 v1(75.53,63.99) 74.02,62.48 74.02,58.71 74.96,57.76 78.79,57.76 81.83,54.72 81.83,46.25 84.48,43.61 84.48,40.07 85.47,39.07 85.47,31.34 85.11,30.98 85.11,26.84 v1(85.09,26.82) ; v1(51.88,64.82) 51.36,64.3 U6.17 v1(47.71,64.3)
  In1.Cu w0.25: v1(104.16,28.4) 104.14,28.42 104.14,31.98 ; 104.14,31.98 102.64,31.98 U8.6 ; 104.14,31.98 120.88,31.98 U9.6
  Bottom w0.25: v1(47.71,64.3) 49.53,66.12 49.53,67.93 49.08,68.38 49.08,108.01 48.26,108.83 48.26,109.61 49.14,110.49 55.88,110.49 J8.16 ; v1(75.53,63.99) 63.47,63.99 62.63,64.83 51.89,64.83 v1(51.88,64.82) ; v1(104.16,28.4) 102.59,26.84 85.11,26.84 v1(85.09,26.82) 85.06,26.85 75.19,26.85 74.48,26.14 v1(71.58,26.14) 71.51,26.21 71.51,29.11 71.52,29.12 70.9,29.74 66.71,29.74 64.55,27.59 51.43,27.59 51.42,27.59 48.69,27.59 46.08,24.99 40.13,24.99 39.33,25.8 v1(39.33,28.46)
/A8: length 237
  Top w0.25: U4.47 40.06,31.39 40.3,31.64 44.56,31.64 46.97,29.23 v1(50.12,29.23) ; U3.28 71.38,29.74 72.24,28.88 v1(72.24,26.89) ; v1(85.84,27.57) 85.56,27.84 85.56,30.79 85.93,31.16 85.93,39.26 84.93,40.26 84.93,43.79 82.28,46.43 82.28,54.9 78.98,58.21 75.15,58.21 74.47,58.89 74.47,61.77 75.97,63.27 76.52,63.27 v1(76.8,63.55) 78.18,63.55 U7.18 ; v1(46.87,64.85) 46.87,64.11 47.48,63.5 U6.18 51.76,63.5 v1(52.11,63.85)
  In1.Cu w0.25: v1(47.44,107.57) 48.35,108.48 48.35,109.71 49.14,110.49 58.42,110.49 J8.18 ; U8.5 105.19,34.07 123.41,34.07 U9.5
  In2.Cu w0.25: v1(105.16,30.73) 104.14,31.75 U8.5
  Bottom w0.25: v1(50.12,29.23) 50.42,29.23 51.61,28.04 64.37,28.04 66.52,30.19 71.41,30.19 72.24,29.36 v1(72.24,26.89) 72.31,26.82 74.52,26.82 75.12,27.41 83.81,27.41 83.94,27.54 85.81,27.54 v1(85.84,27.57) 85.85,27.58 102.05,27.58 105.16,30.68 v1(105.16,30.73) ; v1(76.8,63.55) 76.52,63.27 63.55,63.27 62.97,63.85 v1(52.11,63.85) ; v1(46.87,64.85) 46.94,64.85 48.63,66.54 48.63,68.19 48.63,68.19 48.63,106.38 v1(47.44,107.57)
/A9: length 225.5
  Top w0.25: U8.27 92.48,34.52 110.72,34.52 U9.27 ; U3.29 72.18,29.57 72.98,28.77 72.98,28.3 73,28.29 v1(73,27.54) 73.17,27.37 ; U4.51 44.74,32.1 46.88,29.96 v1(49.11,29.96) ; v1(86.29,29.55) 86.29,29.91 86.1,30.09 86.1,30.69 86.38,30.97 86.38,39.44 85.38,40.44 85.38,43.98 82.73,46.62 82.73,55.09 79.16,58.66 75.34,58.66 74.92,59.08 74.92,61.1 v1(75.63,61.82) 76.52,62.7 U7.19 ; v1(45.38,65.01) 45.38,64.97 47.64,62.7 U6.19 51.89,62.7 v1(52.01,62.82)
  In1.Cu w0.25: J8.20 60.96,110.49 60.96,108.83 59.8,107.67 49.92,107.67 49.09,106.84 47.14,106.84 46.68,107.3 41.01,107.3 v1(40.96,107.35)
  Bottom w0.25: v1(49.11,29.96) 50.55,29.96 52.02,28.49 64.18,28.49 66.34,30.64 71.59,30.64 73,29.24 v1(73,27.54) 73.17,27.37 74.44,27.37 76,28.93 85.67,28.93 v1(86.29,29.55) 86.4,29.67 88.26,29.67 90.17,31.57 90.17,33.28 91.44,34.55 U8.27 ; v1(45.38,65.01) 44.61,65.78 44.61,73.36 42.87,75.09 42.87,105.44 v1(40.96,107.35) ; v1(75.63,61.82) 64.37,61.82 63.41,62.77 52.05,62.77 v1(52.01,62.82)
/A10: length 228.4
  Top w0.25: v1(50.64,30.68) 50.47,30.85 48.97,30.85 48.81,30.68 46.81,30.68 44.89,32.6 U4.52 ; v1(76.81,30.39) 76.02,30.39 74.91,31.5 73.45,31.5 72.98,31.03 U3.30 72.98,29.67 73.43,29.22 73.43,28.49 v1(73.83,28.09) ; v1(86.82,30.39) 86.82,30.39 86.82,39.63 85.83,40.63 85.83,44.16 83.18,46.81 83.18,55.28 79.35,59.11 78.01,59.11 76.7,60.41 v1(76.7,60.47) 76.7,60.99 77.62,61.9 U7.20 ; v1(45.66,63.66) 47.42,61.9 U6.20 51.74,61.9 v1(51.79,61.84) ; U8.26 95.02,39.14 113.26,39.14 U9.26
  In1.Cu w0.25: v1(40.74,106.32) 49.2,106.32 50.11,107.22 61.89,107.22 63.5,108.83 63.5,110.49 J8.22
  Bottom w0.25: U8.26 92.48,36.6 91.01,36.6 90.4,35.99 90.4,34.15 89.72,33.47 89.72,31.76 88.35,30.39 v1(86.82,30.39) v1(76.81,30.39) ; v1(40.74,106.32) 42.42,104.63 42.42,74.9 43.27,74.06 43.27,65.56 45.17,63.66 v1(45.66,63.66) ; v1(76.7,60.47) 76.6,60.37 65.18,60.37 63.71,61.84 v1(51.79,61.84) ; v1(50.64,30.68) 52.38,28.94 63.99,28.94 66.15,31.09 71.78,31.09 73.61,29.26 73.61,28.32 v1(73.83,28.09)
/A11: length 223.9
  Top w0.25: 74.56,28.73 v1(74.33,28.96) 73.78,29.51 U3.31 ; U9.23 110.72,39.6 92.48,39.6 U8.23 ; U7.26 87.88,62.7 v1(87.68,62.5) ; v1(84.39,29.65) 84.66,29.93 84.66,31.16 85.03,31.53 85.03,37.92 v1(84.75,38.19) ; U4.53 45.03,33.1 46.72,31.41 v1(48.36,31.41) 52.98,31.41 55.15,33.57 55.15,38.2 54.69,38.65 54.69,50.81 v1(64.2,60.32) 64.2,60.58 62.08,62.7 U6.26
  In1.Cu w0.25: v1(64.2,60.32) 57.79,60.32 56.65,61.46 56.65,78.24 v1(57.15,78.74)
  Bottom w0.25: J8.24 66.04,113.03 59.3,113.03 58.42,112.15 58.42,80.01 v1(57.15,78.74) ; v1(64.2,60.32) 64.78,59.75 77.53,59.75 80.01,62.23 87.41,62.23 v1(87.68,62.5) ; v1(48.36,31.41) 50.97,31.41 52.99,29.39 63.81,29.39 65.96,31.54 71.97,31.54 74.33,29.17 v1(74.33,28.96) 75.39,28.96 76.07,29.63 84.37,29.63 v1(84.39,29.65) ; U8.23 91.44,39.59 89.78,37.93 85.02,37.93 v1(84.75,38.19)
/A12: length 220.4
  Top w0.25: U8.25 92.48,37.06 110.72,37.06 U9.25 ; 66.16,61.1 v1(66.04,61.1) 65.3,61.1 62.89,63.5 U6.27 60.53,63.5 60.35,63.32 60.35,57.11 54.24,51 54.24,38.47 54.7,38.01 54.7,33.76 53.23,32.3 v1(50.13,32.3) 49.96,32.13 46.63,32.13 45.16,33.6 U4.54 ; U3.32 74.63,30.48 75.02,30.48 75.39,30.12 v1(75.39,29.98) ; J8.26 68.58,113.03 59.3,113.03 58.42,112.15 58.42,78.99 v1(58.17,78.74) ; v1(87.63,63.5) U7.27
  In1.Cu w0.25: v1(66.04,61.1) 58.22,61.1 57.15,62.17 57.15,77.72 v1(58.17,78.74)
  Bottom w0.25: v1(66.04,61.1) 66.04,61.09 76.33,61.09 78.74,63.5 v1(87.63,63.5) ; v1(50.13,32.3) 50.71,32.3 53.17,29.84 63.62,29.84 65.78,31.99 72.2,31.99 73.9,30.29 75.08,30.29 v1(75.39,29.98) 75.39,29.99 76.51,31.12 88.44,31.12 89.27,31.95 89.27,33.65 89.95,34.34 89.95,36.61 U8.25
